# KiCad board Solo_Mini_Controller.kicad_pcb
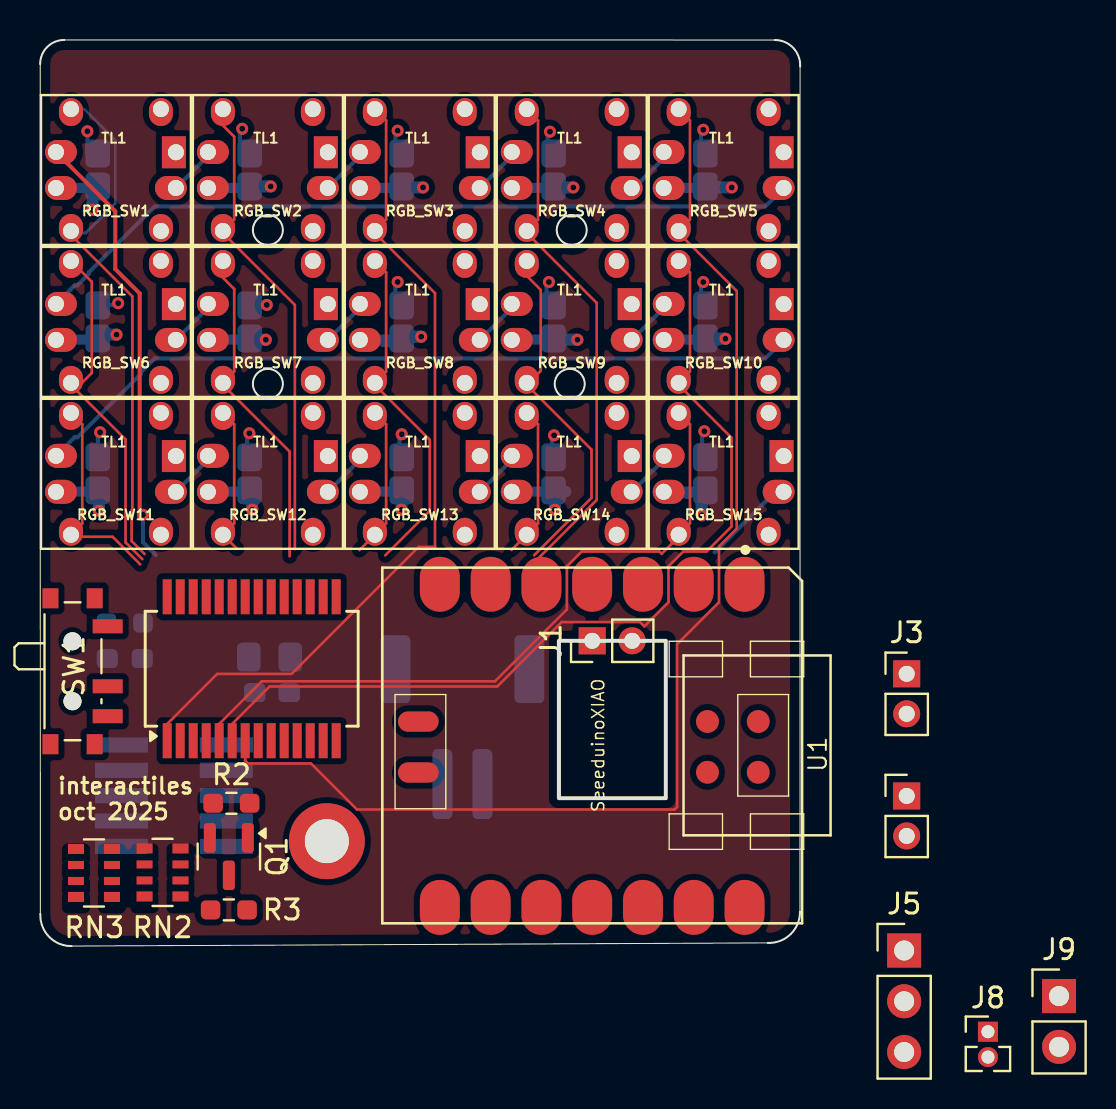
[diagram p0: board, top side]
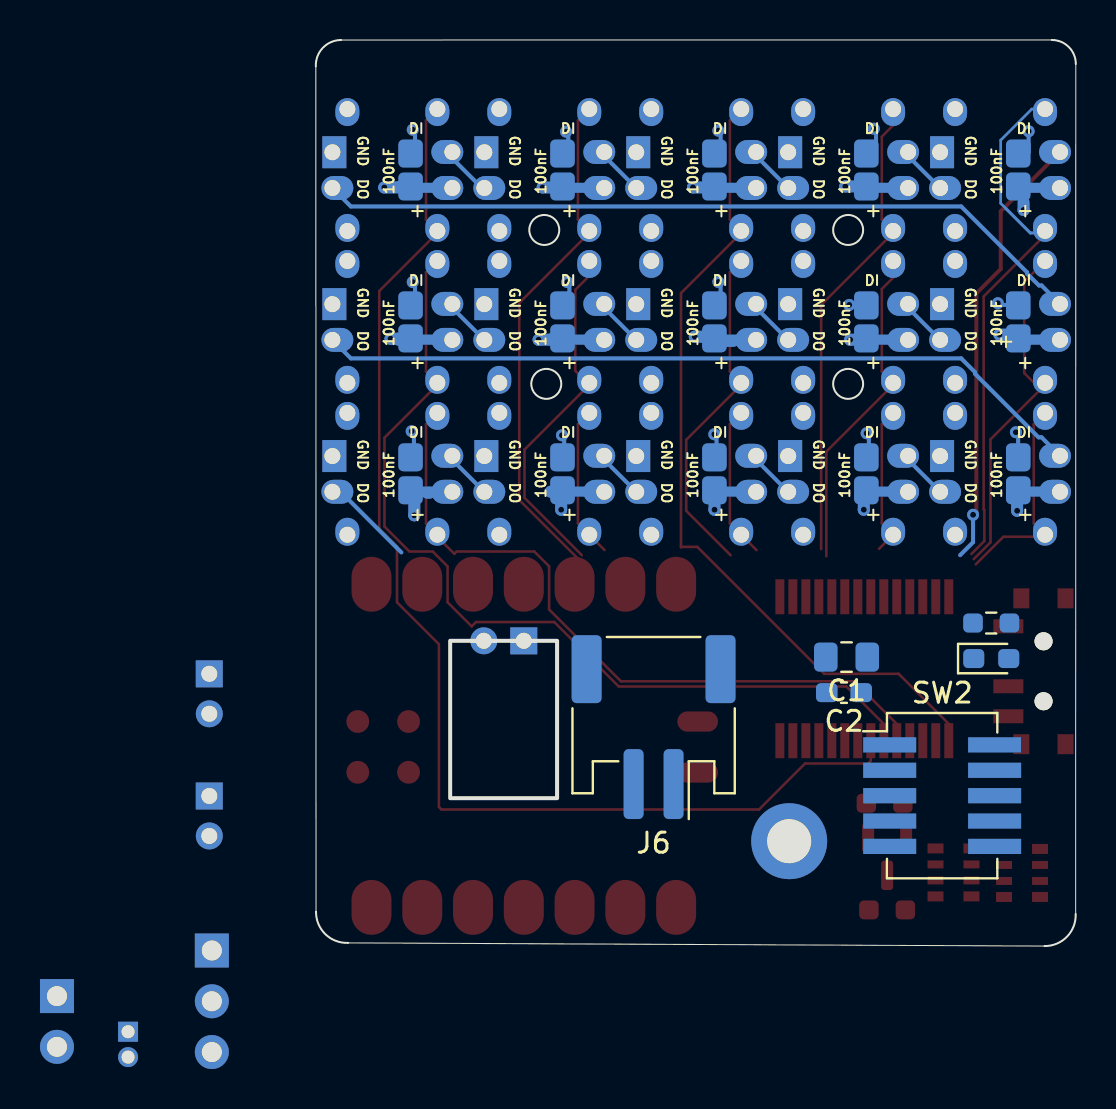
[diagram p1: board, bottom side, seen from below]

Outline 38.02 x 45.33 mm; copper layers: Top, In1.Cu (plane), In2.Cu (plane), Bottom. Coordinates in mm from the lower left corner of the outline.
Outline path: circle c11.39,35.83 r0.75 ; circle c11.39,28.13 r0.75 ; rectangle 25.95,15.27 31.3,7.4 ; circle c26.49,28.13 r0.75 ; circle c26.59,35.83 r0.75 ; 0,44.13 0.01,1.6 arc(0.44,0.47) 1.57,0 36.4,0.16 arc(37.54,0.59) 38.01,1.72 38.02,44.01 arc(37.66,44.94) 36.75,45.33 1.2,45.33 arc(0.35,44.98) 0,44.13
Stack: Top 0.035mm / dielectric 0.1mm FR4 er 4.5 / In1.Cu 0.035mm / dielectric 1.24mm FR4 er 4.5 / In2.Cu 0.035mm / dielectric 0.1mm FR4 er 4.5 / Bottom 0.035mm

## Placement (name value [footprint] x y rotation side)
C1  10uF  [C_0805_2012Metric_Pad1.18x1.45mm_HandSolder]  11.47 14.46 0 bottom
C2  0.1uF  [C_0603_1608Metric_Pad1.08x0.95mm_HandSolder]  11.6 12.68 0 bottom
D1  LED  [LED_0603_1608Metric_Pad1.05x0.95mm_HandSolder]  4.23 14.38 180 bottom
H2  MountingHole  [MountingHole_2.2mm_M2_DIN965_Pad]  14.34 5.25 0 top
J1  JST_02  [PinHeader_1x02_P2.00mm_Vertical]  27.61 15.27 90 top
J2  PINHD_1x2_Female  [PinHeader_1x02_P2.00mm_Vertical]  43.35 7.51 0 top
J3  PINHD_1x2_Female  [PinHeader_1x02_P2.00mm_Vertical]  43.35 13.62 0 top
J5  PINHD_1x3_Male  [PinHeader_1x03_P2.54mm_Vertical]  43.22 -0.22 0 top
J6  JST_02  [JST_PH_S2B-PH-SM4-TB_1x02-1MP_P2.00mm_Horizontal]  21.12 10.95 0 bottom
J8  PINHD_1x2_Female  [PinHeader_1x02_P1.27mm_Vertical]  47.41 -4.29 0 top
J9  PINHD_1x2_Male  [PinHeader_1x02_P2.54mm_Vertical]  50.97 -2.5 0 top
Q1  BSS138  [SOT-23]  9.44 4.48 270 top
R1  330ohm  [R_0603_1608Metric_Pad0.98x0.95mm_HandSolder]  4.23 16.16 180 bottom
R2  10k  [R_0603_1608Metric_Pad0.98x0.95mm_HandSolder]  9.56 7.14 0 top
R3  10k  [R_0603_1608Metric_Pad0.98x0.95mm_HandSolder]  9.44 1.81 0 top
RGB_SW1  PLB_RGB_SW  [TL1_RBG_Adressable_1_mini]  3.79 38.83 0 top
RGB_SW2  PLB_RGB_SW  [TL1_RBG_Adressable_1_mini]  11.39 38.83 0 top
RGB_SW3  PLB_RGB_SW  [TL1_RBG_Adressable_1_mini]  18.99 38.83 0 top
RGB_SW4  PLB_RGB_SW  [TL1_RBG_Adressable_1_mini]  26.59 38.83 0 top
RGB_SW5  PLB_RGB_SW  [TL1_RBG_Adressable_1_mini]  34.19 38.83 0 top
RGB_SW6  PLB_RGB_SW  [TL1_RBG_Adressable_1_mini]  3.79 31.23 0 top
RGB_SW7  PLB_RGB_SW  [TL1_RBG_Adressable_1_mini]  11.39 31.23 0 top
RGB_SW8  PLB_RGB_SW  [TL1_RBG_Adressable_1_mini]  18.99 31.23 0 top
RGB_SW9  PLB_RGB_SW  [TL1_RBG_Adressable_1_mini]  26.59 31.23 0 top
RGB_SW10  PLB_RGB_SW  [TL1_RBG_Adressable_1_mini]  34.19 31.23 0 top
RGB_SW11  PLB_RGB_SW  [TL1_RBG_Adressable_1_mini]  3.79 23.63 0 top
RGB_SW12  PLB_RGB_SW  [TL1_RBG_Adressable_1_mini]  11.39 23.63 0 top
RGB_SW13  PLB_RGB_SW  [TL1_RBG_Adressable_1_mini]  18.99 23.63 0 top
RGB_SW14  PLB_RGB_SW  [TL1_RBG_Adressable_1_mini]  26.59 23.63 0 top
RGB_SW15  PLB_RGB_SW  [TL1_RBG_Adressable_1_mini]  34.19 23.63 0 top
RN2  R_Pack04  [R_Array_Convex_4x0603]  6.12 3.69 0 top
RN3  R_Pack04  [R_Array_Convex_4x0603]  2.69 3.66 0 top
SW1  Slide_Switch_SPDT_P3mm_10x5x10mm  [SW_SPDT_PCM12]  1.94 13.75 270 top
SW2  SW_DIP_x05  [SW_DIP_SPSTx05_Slide_KingTek_DSHP05TJ_W5.25mm_P1.27mm_JPin]  6.69 7.53 180 bottom
U1  SeeeduinoXIAO  [Seeeduino XIAO-MOUDLE14P-2.54-21X17.8MM]  17.12 18.93 270 top
U2  MCP23017_SS  [SSOP-28_5.3x10.2mm_P0.65mm]  10.58 13.88 90 top

## Library data of the parts
C1 C2 = -: Description: Unpolarized capacitor; ki_fp_filters: C_*
D1 = -: Description: Common 5mm diameter LED; ki_fp_filters: LED_D5.0mm_Clear LED_D5.0mm_Horizontal_O1.27mm_Z3.0mm LED_D5.0mm_Horizontal_O3.81mm_Z3.0mm LED_D5.0mm_Horizontal_O6.35mm_Z3.0mm
H2 = -: Description: Mounting Hole without connection; ki_fp_filters: MountingHole*
J1 J6 = -: Description: JST Connector  2 pins; ki_fp_filters: Connector_JST:JST_EH_S2B-EH_1x02_P2.50mm_Horizontal
J2 J3 J8 = -: Description: Pin Header female with pin space 2.54mm. Pin Count -2; ki_fp_filters: PinSocket_1x02_P2.54mm*
J5 = -: Description: Pin Header male with pin space 2.54mm. Pin Count -3; ki_fp_filters: PinHeader_1x03_P2.54mm*
J9 = -: Description: Pin Header male with pin space 2.54mm. Pin Count -2; ki_fp_filters: PinHeader_1x02_P2.54mm*
Q1 = -: Datasheet: https://www.onsemi.com/pub/Collateral/BSS138-D.PDF; Description: 50V Vds, 0.22A Id, N-Channel MOSFET, SOT-23; ki_fp_filters: SOT?23*
R1 = -: Description: 330Î©, 1/4W Resistor; ki_fp_filters: Resistor_THT:R_Axial_DIN0207_L6.3mm_D2.5mm*
R2 R3 = -: Description: 10kÎ©, 1/4W Resistor; ki_fp_filters: Resistor_THT:R_Axial_DIN0207_L6.3mm_D2.5mm*
RGB_SW1-RGB_SW15 = -: ki_fp_filters: SW*MEC*5G*
RN2 RN3 = -: Description: 4 resistor network, parallel topology; ki_fp_filters: DIP* SOIC* R*Array*Concave* R*Array*Convex*
SW1 = -: Description: SPDT Slide Switch with 10mm length, 5mm width and 10mm hight.
SW2 = -: Description: 5x DIP Switch, Single Pole Single Throw (SPST) switch, small symbol; ki_fp_filters: SW?DIP?x5*
U2 = -: Datasheet: http://ww1.microchip.com/downloads/en/DeviceDoc/20001952C.pdf; Description: 16-bit I/O expander, I2C, interrupts, w pull-ups, SSOP-28; ki_fp_filters: SSOP*5.3x10.2mm*P0.65mm*

## Footprints (pads in the part's own frame, mm; a bottom-side part is the same pattern mirrored in y, then rotated)
C_0603_1608Metric_Pad1.08x0.95mm_HandSolder
  rrect 1.075x0.95 smd: 1(-0.863,0) 2(0.863,0)
C_0805_2012Metric_Pad1.18x1.45mm_HandSolder
  rrect 1.175x1.45 smd: 1(-1.038,0) 2(1.038,0)
JST_PH_S2B-PH-SM4-TB_1x02-1MP_P2.00mm_Horizontal
  rrect 1x3.5 smd: 1(-1,2.85) 2(1,2.85)
  rrect 1.5x3.4 smd: MP(-3.35,-2.9) MP(3.35,-2.9)
LED_0603_1608Metric_Pad1.05x0.95mm_HandSolder
  rrect 1.05x0.95 smd: 1(-0.875,0) 2(0.875,0)
MountingHole_2.2mm_M2_DIN965_Pad
  round 3.8 hole 2.2: 1(0,0)
PinHeader_1x02_P1.27mm_Vertical
  rect 1x1 hole 0.65: 1(0,0)
  oval 1x1 hole 0.65: 2(0,-1.27)
PinHeader_1x02_P2.00mm_Vertical
  rect 1.35x1.35 hole 0.8: 1(0,0)
  oval 1.35x1.35 hole 0.8: 2(0,-2)
PinHeader_1x02_P2.54mm_Vertical
  rect 1.7x1.7 hole 1: 1(0,0)
  oval 1.7x1.7 hole 1: 2(0,-2.54)
PinHeader_1x03_P2.54mm_Vertical
  rect 1.7x1.7 hole 1: 1(0,0)
  oval 1.7x1.7 hole 1: 2(0,-2.54) 3(0,-5.08)
R_0603_1608Metric_Pad0.98x0.95mm_HandSolder
  rrect 0.975x0.95 smd: 1(-0.912,0) 2(0.912,0)
R_Array_Convex_4x0603
  rect 0.8x0.5 smd: 1(-0.9,1.2) 4(-0.9,-1.2) 5(0.9,-1.2) 8(0.9,1.2)
  rect 0.8x0.4 smd: 2(-0.9,0.4) 3(-0.9,-0.4) 6(0.9,-0.4) 7(0.9,0.4)
Seeeduino XIAO-MOUDLE14P-2.54-21X17.8MM
  oval 2.748x1.999 smd: 1(0.833,18.118) 2(0.833,15.578) 3(0.833,13.038) 4(0.833,10.498) 5(0.833,7.958) 6(0.833,5.418) 7(0.833,2.878) 8(16.998,2.878) 9(16.998,5.418) 10(16.998,7.958) 11(16.998,10.498) 12(16.998,13.038) 13(16.998,15.578) 14(16.998,18.118)
  oval 1.016x2.032 smd: 15(7.7,1.8) 16(10.25,1.8)
  round 1.143 smd: 17(7.699,18.804) 18(10.239,18.804) 19(7.699,16.264) 20(10.239,16.264)
SOT-23
  rrect 1.475x0.6 smd: 1(-0.938,0.95) 2(-0.938,-0.95) 3(0.938,0)
SSOP-28_5.3x10.2mm_P0.65mm
  rect 1.75x0.45 smd: 1(-3.6,4.225) 2(-3.6,3.575) 3(-3.6,2.925) 4(-3.6,2.275) 5(-3.6,1.625) 6(-3.6,0.975) 7(-3.6,0.325) 8(-3.6,-0.325) 9(-3.6,-0.975) 10(-3.6,-1.625) 11(-3.6,-2.275) 12(-3.6,-2.925) 13(-3.6,-3.575) 14(-3.6,-4.225) 15(3.6,-4.225) 16(3.6,-3.575) 17(3.6,-2.925) 18(3.6,-2.275) 19(3.6,-1.625) 20(3.6,-0.975) 21(3.6,-0.325) 22(3.6,0.325) 23(3.6,0.975) 24(3.6,1.625) 25(3.6,2.275) 26(3.6,2.925) 27(3.6,3.575) 28(3.6,4.225)
SW_DIP_SPSTx05_Slide_KingTek_DSHP05TJ_W5.25mm_P1.27mm_JPin
  rect 2.65x0.76 smd: 1(-2.625,2.54) 2(-2.625,1.27) 3(-2.625,0) 4(-2.625,-1.27) 5(-2.625,-2.54) 6(2.625,-2.54) 7(2.625,-1.27) 8(2.625,0) 9(2.625,1.27) 10(2.625,2.54)
SW_SPDT_PCM12
  rect 1x0.8 smd: (-3.65,0.78) (-3.65,-1.43) (3.65,0.78) (3.65,-1.43)
  round 0.9 hole 0.9 unplated: (-1.5,-0.33) (1.5,-0.33)
  rect 0.7x1.5 smd: 1(-2.25,1.43) 2(0.75,1.43) 3(2.25,1.43)
TL1_RBG_Adressable_1_mini
  rrect 1.6x1.2 hole 0.8: DI(-3,0.9) DO(3,-0.9) VDD(-3,-0.9)
  rrect 1.227x1.4 smd far side: GND(-1.397,0.85) VDD(-1.397,-0.85)
  rect 1.2x1.6 hole 0.8: GND(3,0.889)
  rrect 1.2x1.4 hole 0.8: SW1(-2.25,3.048) SW1(-2.25,-3.048) SW2(2.25,3.048) SW2(2.25,-3.048)

## Nets
+3V3: Q1.1 R2.2 U1.12
+5V: C1.1 C2.1 D1.2 J5.1 J8.1 R3.2 RGB_SW1.VDD RGB_SW2.VDD RGB_SW3.VDD RGB_SW4.VDD RGB_SW5.VDD RGB_SW6.VDD RGB_SW7.VDD RGB_SW8.VDD RGB_SW9.VDD RGB_SW10.VDD RGB_SW11.VDD RGB_SW12.VDD RGB_SW13.VDD RGB_SW14.VDD RGB_SW15.VDD RN3.7 RN3.8 U1.14 U2.9
GND: C1.2 C2.2 J1.1 J5.3 J6.2 J8.2 R1.2 RGB_SW1.GND RGB_SW1.SW2 RGB_SW2.GND RGB_SW2.SW2 RGB_SW3.GND RGB_SW3.SW2 RGB_SW4.GND RGB_SW4.SW2 RGB_SW5.GND RGB_SW5.SW2 RGB_SW6.GND RGB_SW6.SW2 RGB_SW7.GND RGB_SW7.SW2 RGB_SW8.GND RGB_SW8.SW2 RGB_SW9.GND RGB_SW9.SW2 RGB_SW10.GND RGB_SW10.SW2 RGB_SW11.GND RGB_SW11.SW2 RGB_SW12.GND RGB_SW12.SW2 RGB_SW13.GND RGB_SW13.SW2 RGB_SW14.GND RGB_SW14.SW2 RGB_SW15.GND RGB_SW15.SW2 SW2.6 SW2.7 SW2.8 SW2.9 SW2.10 U1.13 U1.16 U1.20 U2.10
VCC: RN2.6 RN2.7 RN2.8
DATA_3v3: Q1.2 R2.1 U1.1
DATA_5v: J5.2 Q1.3 R3.1
DIP_1: SW2.1 U1.2
DIP_2: SW2.2 U1.3
DIP_3: SW2.3 U1.4
DIP_4: SW2.4 U1.9
DIP_5: SW2.5 U1.8
LED_IN: J2.1 RGB_SW1.DI
LED_OUT: J2.2 RGB_SW15.DO
SCL: J3.1 J9.2 RN3.1 U1.6 U2.12
SDA: J3.2 J9.1 RN3.2 U1.5 U2.13
SW1: RGB_SW1.SW1 U2.26
SW2: RGB_SW2.SW1 U2.23
SW3: RGB_SW3.SW1 U2.1
SW4: RGB_SW4.SW1 U2.4
SW5: RGB_SW5.SW1 U2.7
SW6: RGB_SW6.SW1 U2.27
SW7: RGB_SW7.SW1 U2.24
SW8: RGB_SW8.SW1 U2.21
SW9: RGB_SW9.SW1 U2.3
SW10: RGB_SW10.SW1 U2.6
SW11: RGB_SW11.SW1 U2.28
SW12: RGB_SW12.SW1 U2.25
SW13: RGB_SW13.SW1 U2.22
SW14: RGB_SW14.SW1 U2.2
SW15: RGB_SW15.SW1 U2.5
Net-(D1-Pad1): D1.1 R1.1
Net-(J1-Pad2): J1.2 SW1.2
Net-(J6-Pad1): J6.1 SW1.1
Net-(RGB_SW2-DIN): RGB_SW1.DO RGB_SW2.DI
Net-(RGB_SW3-DIN): RGB_SW2.DO RGB_SW3.DI
Net-(RGB_SW4-DIN): RGB_SW3.DO RGB_SW4.DI
Net-(RGB_SW5-DIN): RGB_SW4.DO RGB_SW5.DI
Net-(RGB_SW6-DIN): RGB_SW5.DO RGB_SW6.DI
Net-(RGB_SW7-DIN): RGB_SW6.DO RGB_SW7.DI
Net-(RGB_SW8-DIN): RGB_SW7.DO RGB_SW8.DI
Net-(RGB_SW9-DIN): RGB_SW8.DO RGB_SW9.DI
Net-(RGB_SW10-DIN): RGB_SW9.DO RGB_SW10.DI
Net-(RGB_SW11-DIN): RGB_SW10.DO RGB_SW11.DI
Net-(RGB_SW12-DIN): RGB_SW11.DO RGB_SW12.DI
Net-(RGB_SW13-DIN): RGB_SW12.DO RGB_SW13.DI
Net-(RGB_SW14-DIN): RGB_SW13.DO RGB_SW14.DI
Net-(RGB_SW15-DIN): RGB_SW14.DO RGB_SW15.DI
Net-(RN2-R1.1): RN2.1 U2.19
Net-(RN2-R2.1): RN2.2 U2.20
Net-(RN2-R3.1): RN2.3 U2.18

Pads without a net: H2 1; J6 MP; RN2 4 5; RN3 3 4 5 6; SW1 3; U1 7 10 11 15 17 18 19; U2 8 11 14 15 16 17

## Via types
v1: diameter 0.6, hole 0.3, Top to Bottom, 31 vias

## Routing (per net, layer and track width the routed paths; a pad name or vN(x,y) marks a point on that pad's centre or on a via; arc(x,y) is an arc through that point)
+5V: length 13.3
  Bottom w0.6: v1(19.06,30.49) 18.68,30.49 ; 26.27,22.73 25.44,22.73 ; v1(2.61,36.83) 2.61,37.2 ; 33.89,37.97 33.06,37.97 ; v1(2.94,21.78) 2.94,22.16 ; v1(11.53,38.01) 10.8,38.01 ; v1(26.87,30.33) 26.14,30.33 ; v1(34.28,30.39) 33.91,30.39 33.86,30.33 ; 18.65,30.48 17.82,30.48 ; v1(26.67,37.95) 25.94,37.95 ; 26.27,30.35 25.44,30.35 ; v1(34.59,37.95) 33.86,37.95 ; v1(10.61,21.83) 10.61,22.21 ; 2.54,30.35 2.47,30.28 ; v1(25.74,21.83) 25.74,22.21 ; v1(11.29,30.33) 10.91,30.33 ; v1(3.82,30.59) 3.44,30.59 ; 33.89,30.35 33.06,30.35 ; 17.85,30.28 17.14,30.28 ; 32.44,22.68 32.34,22.68 ; v1(18.07,21.83) 18.07,22.21 ; v1(19.15,37.95) 18.42,37.95 ; v1(33.09,21.55) 33.09,22.39 ; 10.79,38.01 10.79,38.25
GND: length 18.2
  Bottom w0.2: 17.77,32.01 17.77,33.11 ; 33.06,39.63 33.06,40.73 ; v1(2.36,40.77) 2.36,39.71 RGB_SW1.GND ; v1(3.9,32.16) 3.81,32.08 RGB_SW6.GND ; 17.97,24.39 17.97,25.49 ; RGB_SW2.GND 9.99,40.78 v1(10.11,40.89) ; 25.33,32.01 25.33,33.11 ; 33.11,24.54 33.11,25.65 ; 10.35,24.44 10.35,25.54 ; 33.06,32.01 33.06,33.11 ; 2.88,24.49 2.88,25.59 ; 17.77,39.58 17.77,40.68 ; 10.4,32.06 10.95,32.61 ; v1(11.33,32.08) RGB_SW7.GND ; 25.59,24.34 25.59,25.44 ; 25.39,39.53 25.39,40.63
  vias: v1(3,25.71) v1(10.47,25.66) v1(17.88,40.79) v1(17.88,33.23) v1(18.09,25.61) v1(25.5,40.74) v1(25.45,33.22) v1(25.71,25.55) v1(33.17,40.84) v1(33.17,33.22) v1(33.22,25.76)
LED_IN: length 22.2
  Top w0.2: v1(5.14,21.58) 4.98,21.74 4.98,32.65 3.76,33.87 3.76,36.76 RGB_SW1.DI
  Bottom w0.2: 5.79,19.56 5.14,20.2 v1(5.14,21.58)
LED_OUT: length 4.7
  Bottom w0.2: RGB_SW15.DO 36.77,22.73 33.74,19.7
SW1: length 26.8
  Top w0.13: 1.54,35.58 1.54,35.57 4.61,32.5 4.61,21.85 4.57,21.81 4.57,20.26 5.22,19.62
  Bottom w0.13: 3.49,36.89 3.76,37.16 3.76,40.32 2.2,41.88 RGB_SW1.SW1
  Bottom w0.15: 3.49,36.89 2.28,35.68 1.54,35.68 ; 1.54,41.98 1.96,41.98
SW2: length 24.3
  Top w0.13: RGB_SW2.SW1 9.14,41.06 9.7,40.49 9.7,36.34 RGB_SW2.SW1 ; 9.14,35.68 12.74,32.08 12.74,19.86
  Top w0.2: 9.14,35.68 9.29,35.83 ; 9.29,41.83 9.14,41.98
SW3: length 41.9
  Top w0.13: 19.75,19.97 18.93,19.97 12.58,13.62 8.86,13.62 6.36,11.12 U2.1 ; 19.75,19.97 19.75,19.95 ; 19.75,19.97 19.75,32.67 16.74,35.68 ; RGB_SW3.SW1 17.3,36.34 17.3,41.31 RGB_SW3.SW1
  Top w0.2: 16.74,35.68 16.89,35.83 ; 16.89,41.83 16.74,41.98
SW4: length 26.1
  Top w0.13: RGB_SW4.SW1 24.9,41.31 24.9,36.34 RGB_SW4.SW1 ; 24.49,35.83 24.34,35.68 27.84,32.18 27.84,22.32 24.82,19.3 ; 24.34,41.98 24.49,41.83
SW5: length 61.8
  Top w0.13: RGB_SW5.SW1 32.5,41.31 32.5,36.34 RGB_SW5.SW1 ; 32.09,35.83 31.94,35.68 34.84,32.77 34.84,20.88 33.96,20 33.96,17.2 31.86,15.11 31.86,6.96 31.73,6.83 15.84,6.83 13.54,9.14 10.39,9.14 10.26,9.27 U2.7 ; 32.09,41.83 31.94,41.98
SW6: length 17.6
  Top w0.13: 5.11,19.36 4.27,20.2 4.27,25.35 1.54,28.08 1.99,28.08 2.58,28.67 2.58,33.24 RGB_SW6.SW1 1.54,34.38
SW7: length 16.9
  Top w0.13: RGB_SW7.SW1 9.7,28.74 9.7,32.87 9.14,33.44 RGB_SW7.SW1 ; 9.14,34.38 9.29,34.23 ; 12.48,19.5 12.48,24.74 9.14,28.08 9.29,28.23
SW8: length 17.6
  Top w0.13: 16.74,28.08 19.49,25.33 19.49,21.78 17.26,19.55 ; RGB_SW8.SW1 17.3,28.74 17.3,33.71 RGB_SW8.SW1
  Top w0.2: 16.89,34.23 16.74,34.38 ; 16.74,28.08 16.89,28.23
SW9: length 18.3
  Top w0.13: 24.71,19.56 27.58,22.43 27.58,24.84 24.34,28.08 25.04,28.78 25.04,32.83 24.34,33.53 RGB_SW9.SW1
  Top w0.2: 24.49,34.23 24.34,34.38 ; 24.34,28.08 24.49,28.23
SW10: length 46.3
  Top w0.13: RGB_SW10.SW1 32.5,28.74 32.5,33.71 RGB_SW10.SW1 ; 32.09,34.23 31.94,34.38 ; U2.6 9.61,11.12 11.48,12.99 22.86,12.99 26.09,16.21 30,16.21 30.22,15.99 31.43,17.2 31.43,19 32.17,19.74 33.33,19.74 34.58,20.99 34.58,25.43 31.94,28.08 32.09,28.23
SW11: length 10.6
  Top w0.13: 5,19.1 3.62,20.48 1.54,20.48 ; RGB_SW11.SW1 2.1,26.11 2.1,21.14 RGB_SW11.SW1
SW12: length 8
  Top w0.13: RGB_SW12.SW1 9.7,26.11 9.7,21.14 RGB_SW12.SW1 9.84,19.88 ; 9.14,20.48 9.29,20.63 ; 9.29,26.63 9.14,26.78
SW13: length 8.1
  Top w0.13: RGB_SW13.SW1 17.3,26.11 17.3,21.14 RGB_SW13.SW1 15.97,19.81
  Top w0.2: 16.89,26.63 16.74,26.78 ; 16.74,20.48 16.89,20.63
SW14: length 8.1
  Top w0.13: 23.58,19.82 RGB_SW14.SW1 24.9,21.14 24.9,26.11 RGB_SW14.SW1
  Top w0.2: 24.49,26.63 24.34,26.78 ; 24.34,20.48 24.49,20.63
SW15: length 36
  Top w0.13: 32.09,20.63 31.09,19.63 30.98,19.74 27.09,19.74 26.35,19 26.35,16.84 22.76,13.25 11.09,13.25 8.96,11.12 U2.5 ; 32.09,26.63 31.94,26.78 ; RGB_SW15.SW1 32.5,21.14 32.5,26.11 RGB_SW15.SW1
Net-(RGB_SW2-DIN): length 2.5
  Bottom w0.2: RGB_SW2.DI 8.39,39.53 RGB_SW1.DO
Net-(RGB_SW3-DIN): length 2.5
  Bottom w0.2: RGB_SW3.DI 15.99,39.53 RGB_SW2.DO
Net-(RGB_SW4-DIN): length 2.5
  Bottom w0.2: RGB_SW4.DI 23.59,39.53 RGB_SW3.DO
Net-(RGB_SW5-DIN): length 2.5
  Bottom w0.2: RGB_SW5.DI 31.19,39.41 29.71,37.93 RGB_SW4.DO
Net-(RGB_SW6-DIN): length 38.8
  Bottom w0.2: RGB_SW6.DI 1.71,33.05 1.85,33.05 2.44,33.65 2.44,33.71 5.73,37 36.26,37 RGB_SW5.DO
Net-(RGB_SW7-DIN): length 2.5
  Bottom w0.2: RGB_SW6.DO 8.39,31.93 RGB_SW7.DI
Net-(RGB_SW8-DIN): length 2.5
  Bottom w0.2: RGB_SW7.DO 15.99,31.93 RGB_SW8.DI
Net-(RGB_SW9-DIN): length 2.5
  Bottom w0.2: RGB_SW9.DI 23.59,31.93 RGB_SW8.DO
Net-(RGB_SW10-DIN): length 2.5
  Bottom w0.2: RGB_SW9.DO 31.19,31.93 RGB_SW10.DI
Net-(RGB_SW11-DIN): length 39
  Top w0.2: RGB_SW11.DI 0.67,24.64
  Bottom w0.2: RGB_SW11.DI 1.71,25.45 1.86,25.45 5.04,28.63 5.04,28.71 5.73,29.4 36.26,29.4 RGB_SW10.DO
Net-(RGB_SW12-DIN): length 2.5
  Bottom w0.2: RGB_SW11.DO 8.39,24.33 RGB_SW12.DI
Net-(RGB_SW13-DIN): length 2.5
  Bottom w0.2: RGB_SW13.DI 15.99,24.33 RGB_SW12.DO
Net-(RGB_SW14-DIN): length 2.5
  Bottom w0.2: RGB_SW14.DI 23.59,24.33 RGB_SW13.DO
Net-(RGB_SW15-DIN): length 2.5
  Bottom w0.2: RGB_SW14.DO 31.19,24.33 RGB_SW15.DI

## Copper pours and planes (outline as drawn; the poured copper is in the pictures)
+5V on In1.Cu: -0.98,47.53 39.41,48.29 39.79,-3.27 -2.88,-3.27
GND on In2.Cu: -0.98,49.56 39.41,48.29 39.79,-3.27 -2.88,-3.27
(no net) on Top: -0.98,48.04 39.28,49.44 39.79,-3.27 -1.99,-4.16 -0.76,43.78

## Text on the board
B.Silkscreen: GND | +
F.Silkscreen: interactiles / oct 2025
